# KiCad board EKO_Miner_BM1366-13xx_16-01B.kicad_pcb (continued)
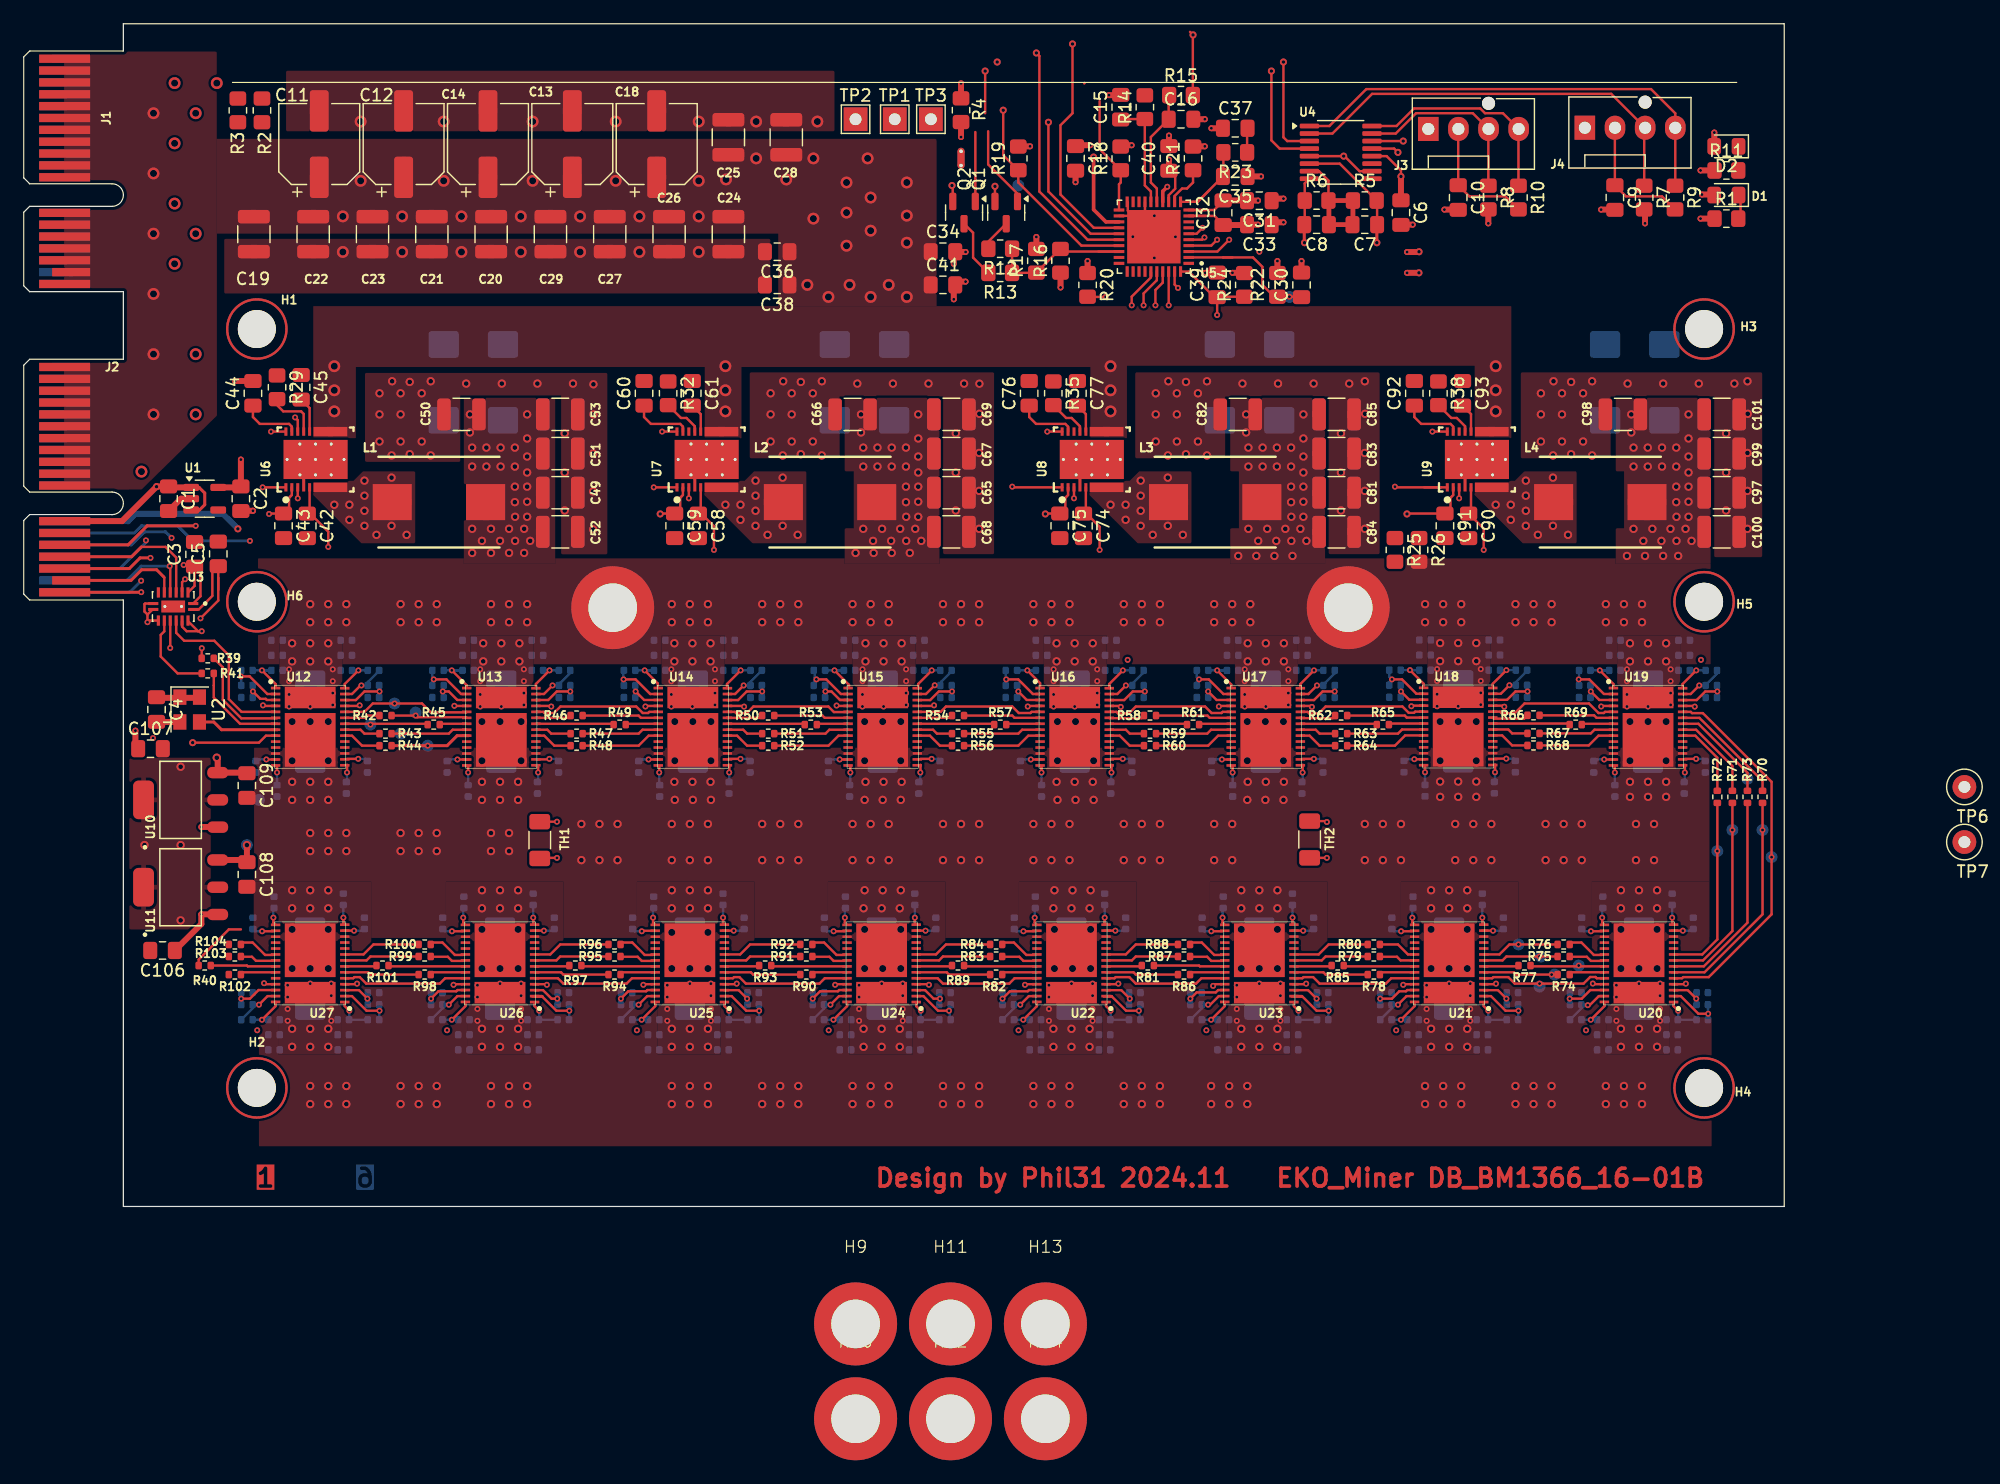
[diagram p0: board, top side]
## Routing (per net, layer and track width the routed paths; a pad name or vN(x,y) marks a point on that pad's centre or on a via; arc(x,y) is an arc through that point) (continued)
VREF: length 164.3
  Top w0.2: 55.34,58.44 55.34,59.77 55.57,60 U7.2 55.57,60.5 ; 87.81,58.44 87.81,59.77 88.03,60 U8.2 88.03,60.5 ; C75.1 86.16,58.44 v4(86.12,58.41) ; 120.27,58.44 120.27,59.77 120.5,60 U9.2 120.5,60.5 ; 22.6,60.5 U6.2 22.6,60 22.37,59.77 22.37,58.44 ; v4(116.6,58.41) 116.64,58.44 C91.1 ; 102.91,87.34 102.93,87.36 ; C59.1 53.69,58.44 v4(53.65,58.41) ; C43.1 20.72,58.44 v3(20.68,58.41) ; U5.13 96.52,85.29 97.06,85.83 97.06,86.83 C40.1 ; 98.53,89.43 R21.2
  Top w0.5: 96.54,87.12 v3(96.54,88.28) ; 101.11,90.93 v3(100.12,90.93) ; 98.57,89.41 v3(99.56,89.41) ; 87.4,78.5 v3(87.4,77.51) ; 103.14,86.87 v3(104.31,86.87)
  In2.Cu w0.2: v3(20.68,58.41) 24.16,58.41 27.7,54.86 32.28,54.86 33.5,53.64 45.02,53.64 47.01,55.63 50.06,55.63 52.84,58.41 v4(53.65,58.41) 56.67,58.41 61.08,54 82.97,54 86.12,57.15 v4(86.12,58.41) 89.6,58.41 94.41,53.59 107.97,53.59 112.78,58.41 v4(116.6,58.41)
  In3.Cu w0.2: v3(104.16,80.52) 110.25,80.52 116.6,74.17 v4(116.6,58.41)
Net-(C37-Pad2): length 2.1
  Top w0.2: 102.93,91.41 102.95,91.43 ; C37.2 103.13,90.89 R23.1
Net-(D1-K): length 2
  Top w0.2: 144.72,85.3 144.72,83.43 144.61,83.31
Net-(NT1-Pad2): length 170.8
  Top w0.2: TH1.2 v3(44.95,32.45)
  In2.Cu w0.25: v4(117.61,78.74) 140.95,78.74 146.07,73.62 146.07,40.13 139.44,33.5 105.65,33.5 103.4,31.24 46.16,31.24 v3(44.95,32.45)
Net-(NT2-Pad2): length 112.2
  Top w0.2: v3(109.85,32.42) 109.78,32.5 TH2.2
  In2.Cu w0.2: 138.7,31.24 139.89,32.42
  In2.Cu w0.25: 140.1,32.64 138.7,31.24 111.03,31.24 v3(109.85,32.42) ; 140.1,32.64 139.89,32.42 ; 140.1,32.64 147.08,39.62 147.08,75.69 142.26,80.52 v4(117.62,80.52)
Net-(Q1-D): length 2.5
  Top w0.2: Q1.3 81.04,81.1
Net-(Q2-D): length 5
  Top w0.2: R13.2 80.03,80.03 80.03,82.12 Q2.3
Net-(U4-REF): length 11.8
  Top w0.2: 112.05,82.84 C7.2 ; 110.02,84.8 R6.2 109.98,86.52 109.19,87.31 U4.7
  Top w0.4: 110.02,84.8 C8.1 C7.2 ; R6.2 R5.1 112.05,82.84
Net-(U4-TH1): length 128.2
  Top w0.2: TH2.1 v3(109.85,29.4) ; C7.1 114.09,84.56 114.05,84.6 R5.2 110.94,87.95 U4.6
  Top w0.25: C7.1 114.06,82.78 v4(114.06,81.28)
  In2.Cu w0.25: 139.97,81.28 v4(114.06,81.28) ; 139.97,81.28 140.65,81.28 ; 139.97,81.28 143.27,81.28 147.59,76.96 147.59,74.42 ; 147.59,74.42 147.59,75.18 ; 147.59,74.42 147.59,39.37 138.96,30.73 111.18,30.73 v3(109.85,29.4)
Net-(U4-TH2): length 189.1
  Top w0.2: C8.2 107.98,82.84 R6.1 107.98,86.28 U4.8 ; 43.5,29.4 v3(44.95,29.4)
  Top w0.25: C8.2 107.95,81.3 v4(107.97,81.28)
  In2.Cu w0.25: v4(107.97,81.28) 112.29,81.28 114.06,79.5 141.75,79.5 146.58,74.68 146.58,39.88 139.75,33.05 105.97,33.05 103.65,30.73 46.28,30.73 v3(44.95,29.4)
Net-(U5-ADDR_TRISE): length 14.2
  Top w0.2: R16.2 86.9,80.76 86.89,80.77 ; R16.2 87.36,80.76 R17.1 85.35,78.74 R13.1 R12.1 ; R16.2 87.61,80.54 U5.28 90.59,80.54
Net-(U5-COMP): length 8.3
  Top w0.2: R23.2 101.13,87.39 101.09,87.35 C35.2 98.95,84.73 98.57,84.73 ; 99.97,85.73 98.97,84.73 98.57,84.73 ; U5.11 98.57,84.73
Net-(U5-IMON): length 12.6
  Top w0.2: 101.11,80.04 103.62,80.04 104.41,79.25 104.41,77.72 105.41,76.72 R22.1 v3(106.7,76.72) 107.68,76.72 C30.1 ; 101.11,80.04 101.9,80.04 ; 101.11,80.04 U5.2
Net-(U5-ISUM): length 3.5
  Top w0.2: R21.1 98.57,86.36 98.06,85.85 97.65,85.85 97.02,85.22 U5.12
Net-(U5-SKIP#_NVM): length 9.4
  Top w0.2: v3(91.2,76.71) 89.7,76.71 R20.2 ; U5.39 97.02,77.75 v3(97.3,77.47)
  In2.Cu w0.2: v3(97.3,77.47) 91.97,77.47 v3(91.2,76.71)
Net-(U5-V5): length 9.8
  Top w0.2: R15.1 96.52,93.69 C16.1 95.01,90.19 95.01,86.36 95.52,85.85 U5.15
Net-(U5-V12): length 9.2
  Top w0.2: C15.1 92.51,91.71 R14.1 94.51,86.11 95.02,85.6 U5.16
Net-(U5-VSN): length 7.9
  Top w0.2: 103.14,84.85 103.16,84.82 ; 101.15,84.85 100.34,84.04 U5.10 99.6,84.04
  Top w0.5: 102.89,84.84 v3(104.05,84.84) ; 101.15,84.85 103.14,84.85
Net-(U5-VSP): length 7.9
  Top w0.2: 99.64,83.54 U5.9 100.38,83.54 101.15,82.77 ; 103.14,82.77 103.16,82.79
  Top w0.5: 102.89,82.8 v3(104.05,82.8) ; 101.15,82.77 103.14,82.77
Net-(U6-BOOT): length 4
  Top w0.2: U6.9 23.6,66.84 23.39,67.06 21.88,67.06 21.35,67.58
Net-(U6-BOOTR): length 3
  Top w0.2: U6.8 24.1,67.34 C45.2
Net-(U6-SW):
  vias: v1(26.18,59.18) v1(27.45,59.18) v1(27.45,57.91) v1(28.72,61.21) v1(28.72,59.94) v1(28.72,58.67) v1(28.72,57.4) v1(29.74,56.64) v1(31.01,61.47) v1(31.01,57.4) v1(32.28,56.64)
Net-(U7-BOOT): length 3.4
  Top w0.2: R32.2 55.4,66.5 55.87,66.5 56.57,65.8 U7.9
Net-(U7-BOOTR): length 2.5
  Top w0.2: U7.8 57.07,66.83 C61.2
Net-(U7-SW):
  vias: v1(59.15,59.18) v1(60.42,59.18) v1(60.42,57.91) v1(61.69,61.21) v1(61.69,59.94) v1(61.69,58.67) v1(61.69,57.4) v1(62.7,56.64) v1(63.97,61.47) v1(63.97,57.4) v1(65.24,56.64)
Net-(U8-BOOT): length 3.4
  Top w0.2: R35.2 87.87,66.5 88.34,66.5 89.04,65.8 U8.9
Net-(U8-BOOTR): length 2.5
  Top w0.2: C77.2 89.54,66.83 U8.8
Net-(U8-SW):
  vias: v1(91.62,59.18) v1(92.89,59.18) v1(92.89,57.91) v1(94.16,61.21) v1(94.16,59.94) v1(94.16,58.67) v1(94.16,57.4) v1(95.17,56.64) v1(96.44,61.47) v1(96.44,57.4) v1(97.71,56.64)
Net-(U9-BOOT): length 3.4
  Top w0.2: R38.2 120.34,66.5 120.8,66.5 121.5,65.8 U9.9
Net-(U9-BOOTR): length 2.5
  Top w0.2: U9.8 122,66.83 C93.2
Net-(U9-SW):
  vias: v1(124.08,59.18) v1(125.35,59.18) v1(125.35,57.91) v1(126.62,61.21) v1(126.62,59.94) v1(126.62,58.67) v1(126.62,57.4) v1(127.64,56.64) v1(128.91,61.47) v1(128.91,57.4) v1(130.18,56.64)
Net-(U12-BO): length 3
  Top w0.2: U12.23 28.78,41.21 28.97,41.4 R42.1
Net-(U12-CLKO): length 3.1
  Top w0.2: R43.1 28.72,39.88 28.39,40.21 U12.21
Net-(U12-CO): length 3.3
  Top w0.2: U12.20 27.67,39.7 28.52,38.86 R44.1
Net-(U12-RO): length 8.3
  Top w0.2: 21.38,40.71 18.24,40.71 16.02,42.93 16.02,43.94 16.02,43.94 R41.1
Net-(U13-BO): length 3
  Top w0.2: U13.23 43.18,41.21 45.9,41.21 R46.1
Net-(U13-CLKO): length 3.1
  Top w0.2: R47.1 44.47,39.88 44.14,40.21 U13.21
Net-(U13-CO): length 3.3
  Top w0.2: R48.1 44.72,38.86 43.88,39.7 U13.20
Net-(U13-RO): length 2.3
  Top w0.2: R45.1 35.14,40.71 U13.7
Net-(U14-BO): length 3
  Top w0.2: 59.32,41.18 59.29,41.21 59.29,41.21 62.02,41.21 62.21,41.4
Net-(U14-CLKO): length 3.1
  Top w0.2: 59.29,40.21 60.65,40.21 60.98,39.88 62.21,39.88
Net-(U14-CO): length 3.3
  Top w0.2: 62.21,38.86 60.98,38.86 60.14,39.7 59.29,39.7
Net-(U14-RO): length 2.7
  Top w0.2: 50.82,40.64 50.89,40.71 53.45,40.71
Net-(U15-BO): length 3
  Top w0.2: 75.4,41.21 78.13,41.21 78.32,41.4
Net-(U15-CLKO): length 3.1
  Top w0.2: 75.4,40.21 76.65,40.21 76.98,39.88 78.32,39.88
Net-(U15-CO): length 3.3
  Top w0.2: 78.32,38.86 77.23,38.86 76.39,39.7 75.4,39.7
Net-(U15-RO): length 2.8
  Top w0.2: 66.82,40.64 66.89,40.71 69.56,40.71
Net-(U16-BO): length 3
  Top w0.2: R58.1 94.21,41.18 91.54,41.18 U16.23
Net-(U16-CLKO): length 3.1
  Top w0.2: U16.21 92.91,40.21 93.24,39.88 R59.1
Net-(U16-CO): length 3.3
  Top w0.2: U16.20 92.39,39.7 93.24,38.86 R60.1
Net-(U16-RO): length 2.9
  Top w0.2: R57.1 82.89,40.71 U16.7
Net-(U17-BO): length 3
  Top w0.2: R62.1 110.32,41.18 107.65,41.18 U17.23
Net-(U17-CLKO): length 3.1
  Top w0.2: R63.1 109.24,39.88 108.91,40.21 U17.21
Net-(U17-CO): length 3.3
  Top w0.2: R64.1 109.24,38.86 108.4,39.7 U17.20
Net-(U17-RO): length 2.7
  Top w0.2: R61.1 99.15,40.71 U17.7
Net-(U18-BO): length 3.1
  Top w0.2: R66.1 126.48,41.14 123.93,41.14 U18.23
Net-(U18-CLKO): length 3.1
  Top w0.2: R67.1 125.47,39.9 125.14,40.23 U18.21
Net-(U18-CO): length 3.3
  Top w0.2: R68.1 125.47,38.88 124.63,39.72 U18.20
Net-(U18-RO): length 3
  Top w0.2: U18.7 115.17,40.73 R65.1
Net-(U19-BO): length 9.8
  Top w0.2: U19.23 139.84,41.21 141.25,41.21 146.58,35.89 R70.1
Net-(U19-CLKO): length 7.6
  Top w0.2: U19.21 140.97,40.21 144.04,37.14 R71.1
Net-(U19-CO): length 6.5
  Top w0.2: U19.20 140.91,39.7 142.77,37.85 R72.1
Net-(U19-RO): length 2.7
  Top w0.2: R69.1 131.41,40.71 U19.7
Net-(U20-BO): length 2.8
  Top w0.2: U20.23 133.24,19.75 130.42,19.75 130.42,19.75
Net-(U20-CLKO): length 2.9
  Top w0.2: 133.05,20.71 132.11,20.71 131.76,21.06 130.33,21.06
Net-(U20-CO): length 3.2
  Top w0.2: 133.05,21.21 132.36,21.21 131.31,22.26 130.33,22.26
Net-(U20-RO): length 17.9
  Top w0.2: R73.1 145.31,23.93 141.62,20.25 139.08,20.25
Net-(U21-BO): length 2.8
  Top w0.2: U21.23 114.41,19.75
Net-(U21-CLKO): length 3
  Top w0.2: 114.33,21.06 115.76,21.06 116.07,20.75 U21.21
Net-(U21-CO): length 3.3
  Top w0.2: R80.1 115.84,22.1 116.69,21.25 U21.20
Net-(U21-RO): length 3
  Top w0.2: 123.08,20.25 125.93,20.25 R77.1
Net-(U22-BO): length 2.8
  Top w0.2: U22.23 82.58,19.75
Net-(U22-CLKO): length 2.9
  Top w0.2: 85.21,20.71 84.27,20.71 83.92,21.06 82.49,21.06
Net-(U22-CO): length 3.2
  Top w0.2: 85.21,21.21 84.52,21.21 83.47,22.26 82.49,22.26
Net-(U22-RO): length 3
  Top w0.2: R81.1 94.18,20.25 91.24,20.25
Net-(U23-BO): length 2.8
  Top w0.2: U23.23 98.41,19.75
Net-(U23-CLKO): length 2.9
  Top w0.2: 98.32,21.06 99.76,21.06 100.11,20.71 101.05,20.71
Net-(U23-CO): length 3.2
  Top w0.2: 98.32,22.26 99.31,22.26 100.35,21.21 101.05,21.21
Net-(U23-RO): length 3.2
  Top w0.2: 107.07,20.25 110.18,20.25 R85.1
Net-(U24-BO): length 2.8
  Top w0.2: U24.23 66.57,19.75
Net-(U24-CLKO): length 2.9
  Top w0.2: 66.49,21.06 67.92,21.06 68.27,20.71 69.21,20.71
Net-(U24-CO): length 3.2
  Top w0.2: 69.21,21.21 68.52,21.21 67.47,22.26 66.49,22.26
Net-(U24-RO): length 3
  Top w0.2: R89.1 78.18,20.25 75.24,20.25
Net-(U25-BO): length 2.8
  Top w0.2: U25.23 50.41,19.75
Net-(U25-CLKO): length 2.9
  Top w0.2: 50.32,21.06 51.75,21.06 52.1,20.71 53.04,20.71
Net-(U25-CO): length 3.2
  Top w0.2: 53.04,21.21 52.35,21.21 51.3,22.26 50.32,22.26
Net-(U25-RO): length 3
  Top w0.2: R93.1 61.92,20.25 59.07,20.25
Net-(U26-BO): length 2.8
  Top w0.2: U26.23 34.4,19.75
Net-(U26-CLKO): length 2.9
  Top w0.2: 34.32,21.06 35.75,21.06 36.1,20.71 37.04,20.71
Net-(U26-CO): length 3.2
  Top w0.2: 34.32,22.26 35.3,22.26 36.34,21.21 37.04,21.21
Net-(U26-RO): length 3
  Top w0.2: R97.1 45.92,20.25 43.07,20.25
Net-(U27-BO): length 3
  Top w0.2: U27.23 18.5,19.75 R102.1
Net-(U27-CLKO): length 2.9
  Top w0.2: 21.03,20.72 19.58,20.72 19.24,21.06 18.31,21.06
Net-(U27-CO): length 3.2
  Top w0.2: 18.31,22.26 19.3,22.26 20.34,21.21 21.04,21.21
Net-(U27-RO): length 2.7
  Top w0.2: 27.06,20.25 29.67,20.25 R101.1

## Copper pours and planes (outline as drawn; the poured copper is in the pictures)
+0.8V on In2.Cu: 19.85,37.13 20.85,37.13 20.85,39.12 27.65,39.12 27.65,37.13 28.75,37.13 28.75,39.12 36.15,39.12 36.15,37.13 37.05,37.13 37.05,39.12 43.75,39.12 43.75,37.03 44.85,37.03 44.85,39.12 52.25,39.12 52.25,37.03 53.15,37.03 53.15,39.12 59.95,39.12 59.95,37.03 60.85,37.03 60.85,39.12 68.35,39.12 68.35,37.03 69.25,37.03 69.25,39.12 76.15,39.12 76.15,37.03 76.95,37.03 76.95,39.12 84.35,39.12 84.35,37.03 85.35,37.03 85.35,39.12 92.25,39.12 92.25,37.03 93.05,37.03 93.05,39.12 100.45,39.12 100.45,37.03 101.45,37.03 101.45,39.12 108.35,39.12 108.35,37.03 109.15,37.03 109.15,39.12 116.8,39.12 116.8,37.03 117.65,37.03 117.65,39.12 124.6,39.12 124.6,37.03 125.5,37.03 125.5,39.12 132.75,39.12 132.75,37.03 133.65,37.03 133.65,39.12 140.55,39.12 140.55,37.03 141.35,37.03 141.35,39.91 19.85,39.91
+0.8V on In2.Cu: 140.23,23.88 139.46,23.87 139.46,22.1 132.35,22.1 132.35,23.62 131.59,23.62 131.59,22.1 124.22,22.1 124.22,23.62 123.46,23.62 123.46,22.1 116.6,22.1 116.6,23.62 115.84,23.62 115.84,22.1 108.23,22.1 108.22,23.62 107.46,23.62 107.46,22.1 100.6,22.1 100.6,23.62 99.84,23.62 99.84,22.1 92.47,22.1 92.47,23.62 91.71,23.62 91.71,22.1 84.6,22.1 84.6,23.62 83.84,23.62 83.84,22.1 76.47,22.1 76.47,23.62 75.71,23.62 75.71,22.1 68.6,22.1 68.6,23.62 67.84,23.62 67.84,22.1 60.22,22.1 60.22,23.62 59.45,23.62 59.45,22.1 52.34,22.1 52.34,23.62 51.58,23.62 51.58,22.1 44.47,22.1 44.47,23.62 43.45,23.62 43.45,22.1 36.34,22.1 36.34,23.62 35.58,23.62 35.58,22.1 28.21,22.1 28.21,23.62 27.45,23.62 27.45,22.1 20.59,22.1 20.59,23.62 19.83,23.62 19.83,21.34 140.23,21.34
+1.2V on In2.Cu: 20.36,24.06 21.36,24.06 21.36,27.69 26.51,27.69 26.51,24.06 27.41,24.06 27.41,27.69 36.71,27.69 36.71,24.06 37.46,24.06 37.46,27.69 42.61,27.69 42.61,23.96 43.51,23.96 43.51,27.69 52.66,27.69 52.66,23.96 53.56,23.96 53.56,27.69 58.46,27.69 58.46,23.96 59.51,23.96 59.51,27.69 68.76,27.69 68.76,23.96 69.66,23.96 69.66,27.69 74.81,27.69 74.81,23.96 75.61,23.96 75.61,27.69 84.6,27.69 84.6,23.96 85.5,23.96 85.5,27.69 90.76,27.69 90.76,23.96 91.71,23.96 91.71,27.69 100.45,27.69 100.45,23.96 101.35,23.96 101.35,27.69 106.5,27.69 106.5,23.96 107.3,23.96 107.3,27.69 116.55,27.69 116.55,23.96 117.35,23.96 117.35,27.69 122.45,27.69 122.45,23.96 123.4,23.96 123.4,27.69 132.65,27.69 132.65,23.96 133.45,23.96 133.45,27.69 138.45,27.69 138.45,23.96 139.25,23.96 139.25,28.99 20.36,28.99
+1.2V on In3.Cu: 20.85,36.17 21.86,36.17 21.86,38.27 26.69,38.27 26.69,36.17 27.7,36.17 27.7,38.27 37.1,38.27 37.1,36.17 37.86,36.17 37.86,38.27 42.94,38.27 42.94,36.07 43.71,36.07 43.71,38.27 53.1,38.27 53.1,36.07 54.12,36.07 54.12,38.27 59.2,38.27 59.2,36.07 59.96,36.07 59.96,38.27 69.36,38.27 69.36,36.07 70.12,36.07 70.12,38.27 75.2,38.27 75.2,36.07 75.96,36.07 75.96,38.27 85.36,38.27 85.36,36.07 86.38,36.07 86.38,38.27 91.2,38.27 91.2,36.07 92.22,36.07 92.22,38.27 101.62,38.27 101.62,36.07 102.38,36.07 102.38,38.27 107.46,38.27 107.46,36.07 108.22,36.07 108.22,38.27 117.62,38.27 117.62,36.07 118.64,36.07 118.64,38.27 123.46,38.27 123.46,36.07 124.48,36.07 124.48,38.27 133.63,38.27 133.63,36.07 134.43,36.07 134.43,38.27 139.68,38.27 139.68,36.07 140.48,36.07 140.48,38.86 20.85,38.86
+3.3V_DB on In1.Cu: 142.7,89.06 142.7,82.5 108.91,82.5 108.91,94.81 21.86,94.81 21.86,94.12 21.25,94.12 21.25,96.1 114.89,96.1 114.89,89.06
+3.3VP on In2.Cu: 96.79,85.6 96.79,86.87 93.74,89.92 84.35,89.92 84.35,88.14 93.74,88.14 96.28,85.6
+12V_PWR on Top: 24.4,64.8 28,64.8 28,70.8 57.41,70.8 57.41,64.6 60.5,64.6 60.5,70.8 89.91,70.8 89.91,64.8 93,64.8 93,70.9 122.31,70.9 122.31,64.8 125.4,64.8 125.4,75.93 24.4,75.93
+12V_PWR on Top, In1.Cu: 3.4,97.4 16.27,97.4 16.29,66.7 9.93,60.46 3.4,60.45
+12V_PWR on Top, In1.Cu: 76.95,75.27 63.6,75.27 63.6,82.04 16.02,82.04 16.02,90.04 76.95,90.04
+12V_PWR on In1.Cu: 24.4,66.32 28,66.32 28,70.8 57.41,70.8 57.41,66.38 60.5,66.38 60.5,70.8 89.91,70.8 89.91,66.32 93,66.32 93,70.9 122.31,70.9 122.31,66.32 125.49,66.32 125.49,75.69 76.98,75.95 76.96,77.72 63.52,77.72 63.52,75.95 24.4,75.69
+12V_PWR on In1.Cu: 142.77,89.6 116.3,89.6 116.3,97 9.4,97 9.4,98.81 142.77,98.81
GND on Top: 146.55,54.76 146.55,70.35 126.2,70.35 126.2,63.1 133.78,63.1 133.78,68.31 142.5,68.31 142.5,54.76
GND on Top: 81.8,55.02 81.8,70.35 61.2,70.35 61.2,63.1 68.78,63.1 68.78,68.31 77.5,68.31 77.5,55.02
GND on Top: 49.2,55 49.2,70.3 28.77,70.3 28.77,62.8 36.8,62.8 36.8,68.4 45.3,68.4 45.3,55
GND on Top: 68.34,90.68 68.34,95.78 22.12,95.78 22.12,90.68
GND on Top: 142.1,38.69 142.1,22.65 19.42,22.65 19.42,38.69
GND on Top: 132.19,27.39 132.19,20.19 142.09,20.19 142.09,27.39
GND on Top: 51.69,27.39 51.69,20.19 61.59,20.19 61.59,27.39
GND on Top: 83.89,27.39 83.89,20.19 93.79,20.19 93.79,27.39
GND on Top: 116.09,27.39 116.09,20.19 125.99,20.19 125.99,27.39
GND on Top: 67.79,27.39 67.79,20.19 77.69,20.19 77.69,27.39
GND on Top: 15.77,23.37 15.77,37.85 8.91,37.85 8.91,23.37
GND on Top: 114.3,55.02 114.3,70.35 93.7,70.35 93.7,63.1 101.28,63.1 101.28,68.31 110,68.31 110,55.02
GND on Top: 99.99,27.39 99.99,20.19 109.89,20.19 109.89,27.39
GND on Top: 62.94,77 62.94,81.6 16.9,81.6 16.9,77
GND on Top: 19.39,27.39 19.39,20.19 29.29,20.19 29.29,27.39
GND on Top: 35.59,27.39 35.59,20.19 45.49,20.19 45.49,27.39
GND on Bottom: 3.5,97.5 14,97.5 14,64.44 10.16,60.6 3.5,60.6
GND on Bottom: 9.42,98.55 9.42,11.43 146.58,11.43 146.58,98.81
GNDA on In1.Cu: 108.24,77.32 77.74,77.32 77.74,88.39 108.29,88.14
/PSU_160A/FFCM on In4.Cu: 22.37,65.79 120.83,65.79 120.83,66.55 22.37,66.55
/PSU_160A/TSEN on In4.Cu: 22.6,67.06 118.81,67.06 118.81,67.79 101.62,67.79 101.62,75.69 100.09,75.69 100.09,67.82 22.6,67.82
VPWR_ASIC on Top: 142.28,18.83 142.28,5.08 19.83,5.08 19.83,18.83
VPWR_ASIC on Top: 142.2,54.65 142.2,45.73 19.75,45.73 19.75,54.65
VPWR_ASIC on Top, Bottom: 42.96,41.9 42.96,48.15 37.66,48.15 37.66,41.9
VPWR_ASIC on Top, Bottom: 142.2,54.2 142.2,68.2 134.2,68.2 134.2,54.2
VPWR_ASIC on Top, Bottom: 85.62,19.06 85.62,12.81 90.92,12.81 90.92,19.06
VPWR_ASIC on Top, Bottom: 101.45,19.06 101.45,12.81 106.76,12.81 106.76,19.06
VPWR_ASIC on Top, Bottom: 123.63,41.92 123.63,48.17 118.32,48.17 118.32,41.92
VPWR_ASIC on Top, Bottom: 107.41,41.9 107.41,48.15 102.1,48.15 102.1,41.9
VPWR_ASIC on Top, Bottom: 139.63,41.9 139.63,48.15 134.32,48.15 134.32,41.9
VPWR_ASIC on Top, Bottom: 133.46,19.06 133.46,12.81 138.76,12.81 138.76,19.06
VPWR_ASIC on Top, Bottom: 117.45,19.06 117.45,12.81 122.76,12.81 122.76,19.06
VPWR_ASIC on Top, Bottom: 44.8,54.2 44.8,68.2 37.1,68.2 37.1,54.2
VPWR_ASIC on Top, Bottom: 77.2,54.2 77.2,68.2 69.2,68.2 69.2,54.2
VPWR_ASIC on Top, Bottom: 37.44,19.06 37.44,12.81 42.75,12.81 42.75,19.06
VPWR_ASIC on Top, Bottom: 21.44,19.06 21.44,12.81 26.75,12.81 26.75,19.06
VPWR_ASIC on Top, Bottom: 59.08,41.9 59.08,48.15 53.77,48.15 53.77,41.9
VPWR_ASIC on Top, Bottom: 91.3,41.9 91.3,48.15 85.99,48.15 85.99,41.9
VPWR_ASIC on Top, Bottom: 26.85,41.9 26.85,48.15 21.55,48.15 21.55,41.9
VPWR_ASIC on Top, Bottom: 109.7,54.2 109.7,68.2 101.7,68.2 101.7,54.2
VPWR_ASIC on Top, Bottom: 75.19,41.9 75.19,48.15 69.88,48.15 69.88,41.9
VPWR_ASIC on Top, Bottom: 53.45,19.06 53.45,12.81 58.75,12.81 58.75,19.06
VPWR_ASIC on Top, Bottom: 69.61,19.06 69.61,12.81 74.92,12.81 74.92,19.06
VREF on In4.Cu: 86.12,76.71 86.12,83.57 94.76,92.2 104.67,92.2 104.67,76.71
Net-(U6-SW) on Top, In1.Cu: 24.4,60 28.47,55.93 33,55.93 33,62 28.6,62 27.8,61.2 24.4,61.2
Net-(U7-SW) on Top, In1.Cu: 57.37,60 61.44,55.93 65.97,55.93 65.97,62 61.57,62 60.77,61.2 57.37,61.2
Net-(U8-SW) on Top, In1.Cu: 89.84,60 93.91,55.93 98.44,55.93 98.44,62 94.04,62 93.24,61.2 89.84,61.2
Net-(U9-SW) on Top, In1.Cu: 122.3,60 126.37,55.93 130.9,55.93 130.9,62 126.5,62 125.7,61.2 122.3,61.2

## Text on the board
Bottom: 6
B.Silkscreen: PWR
Top: 1 | Design by Phil31 2024.11 | EKO_Miner DB_BM1366_16-01B
In1.Cu: 2
In2.Cu: 3
In3.Cu: 4
In4.Cu: 5
